# Altium PCB Cortes.PcbDoc (part 3 of 4)
Units mil, origin at the board's own origin, x right, y up, seen from the top; angles counter-clockwise.
Board outline 3686.1 x 4034 mil, 6 copper layers (Top Layer, GND, SL1, SL2, PWR, Bottom Layer), stack 33.672 mil thick; 267 components, 325 nets, 1122 pads, 1062 vias.
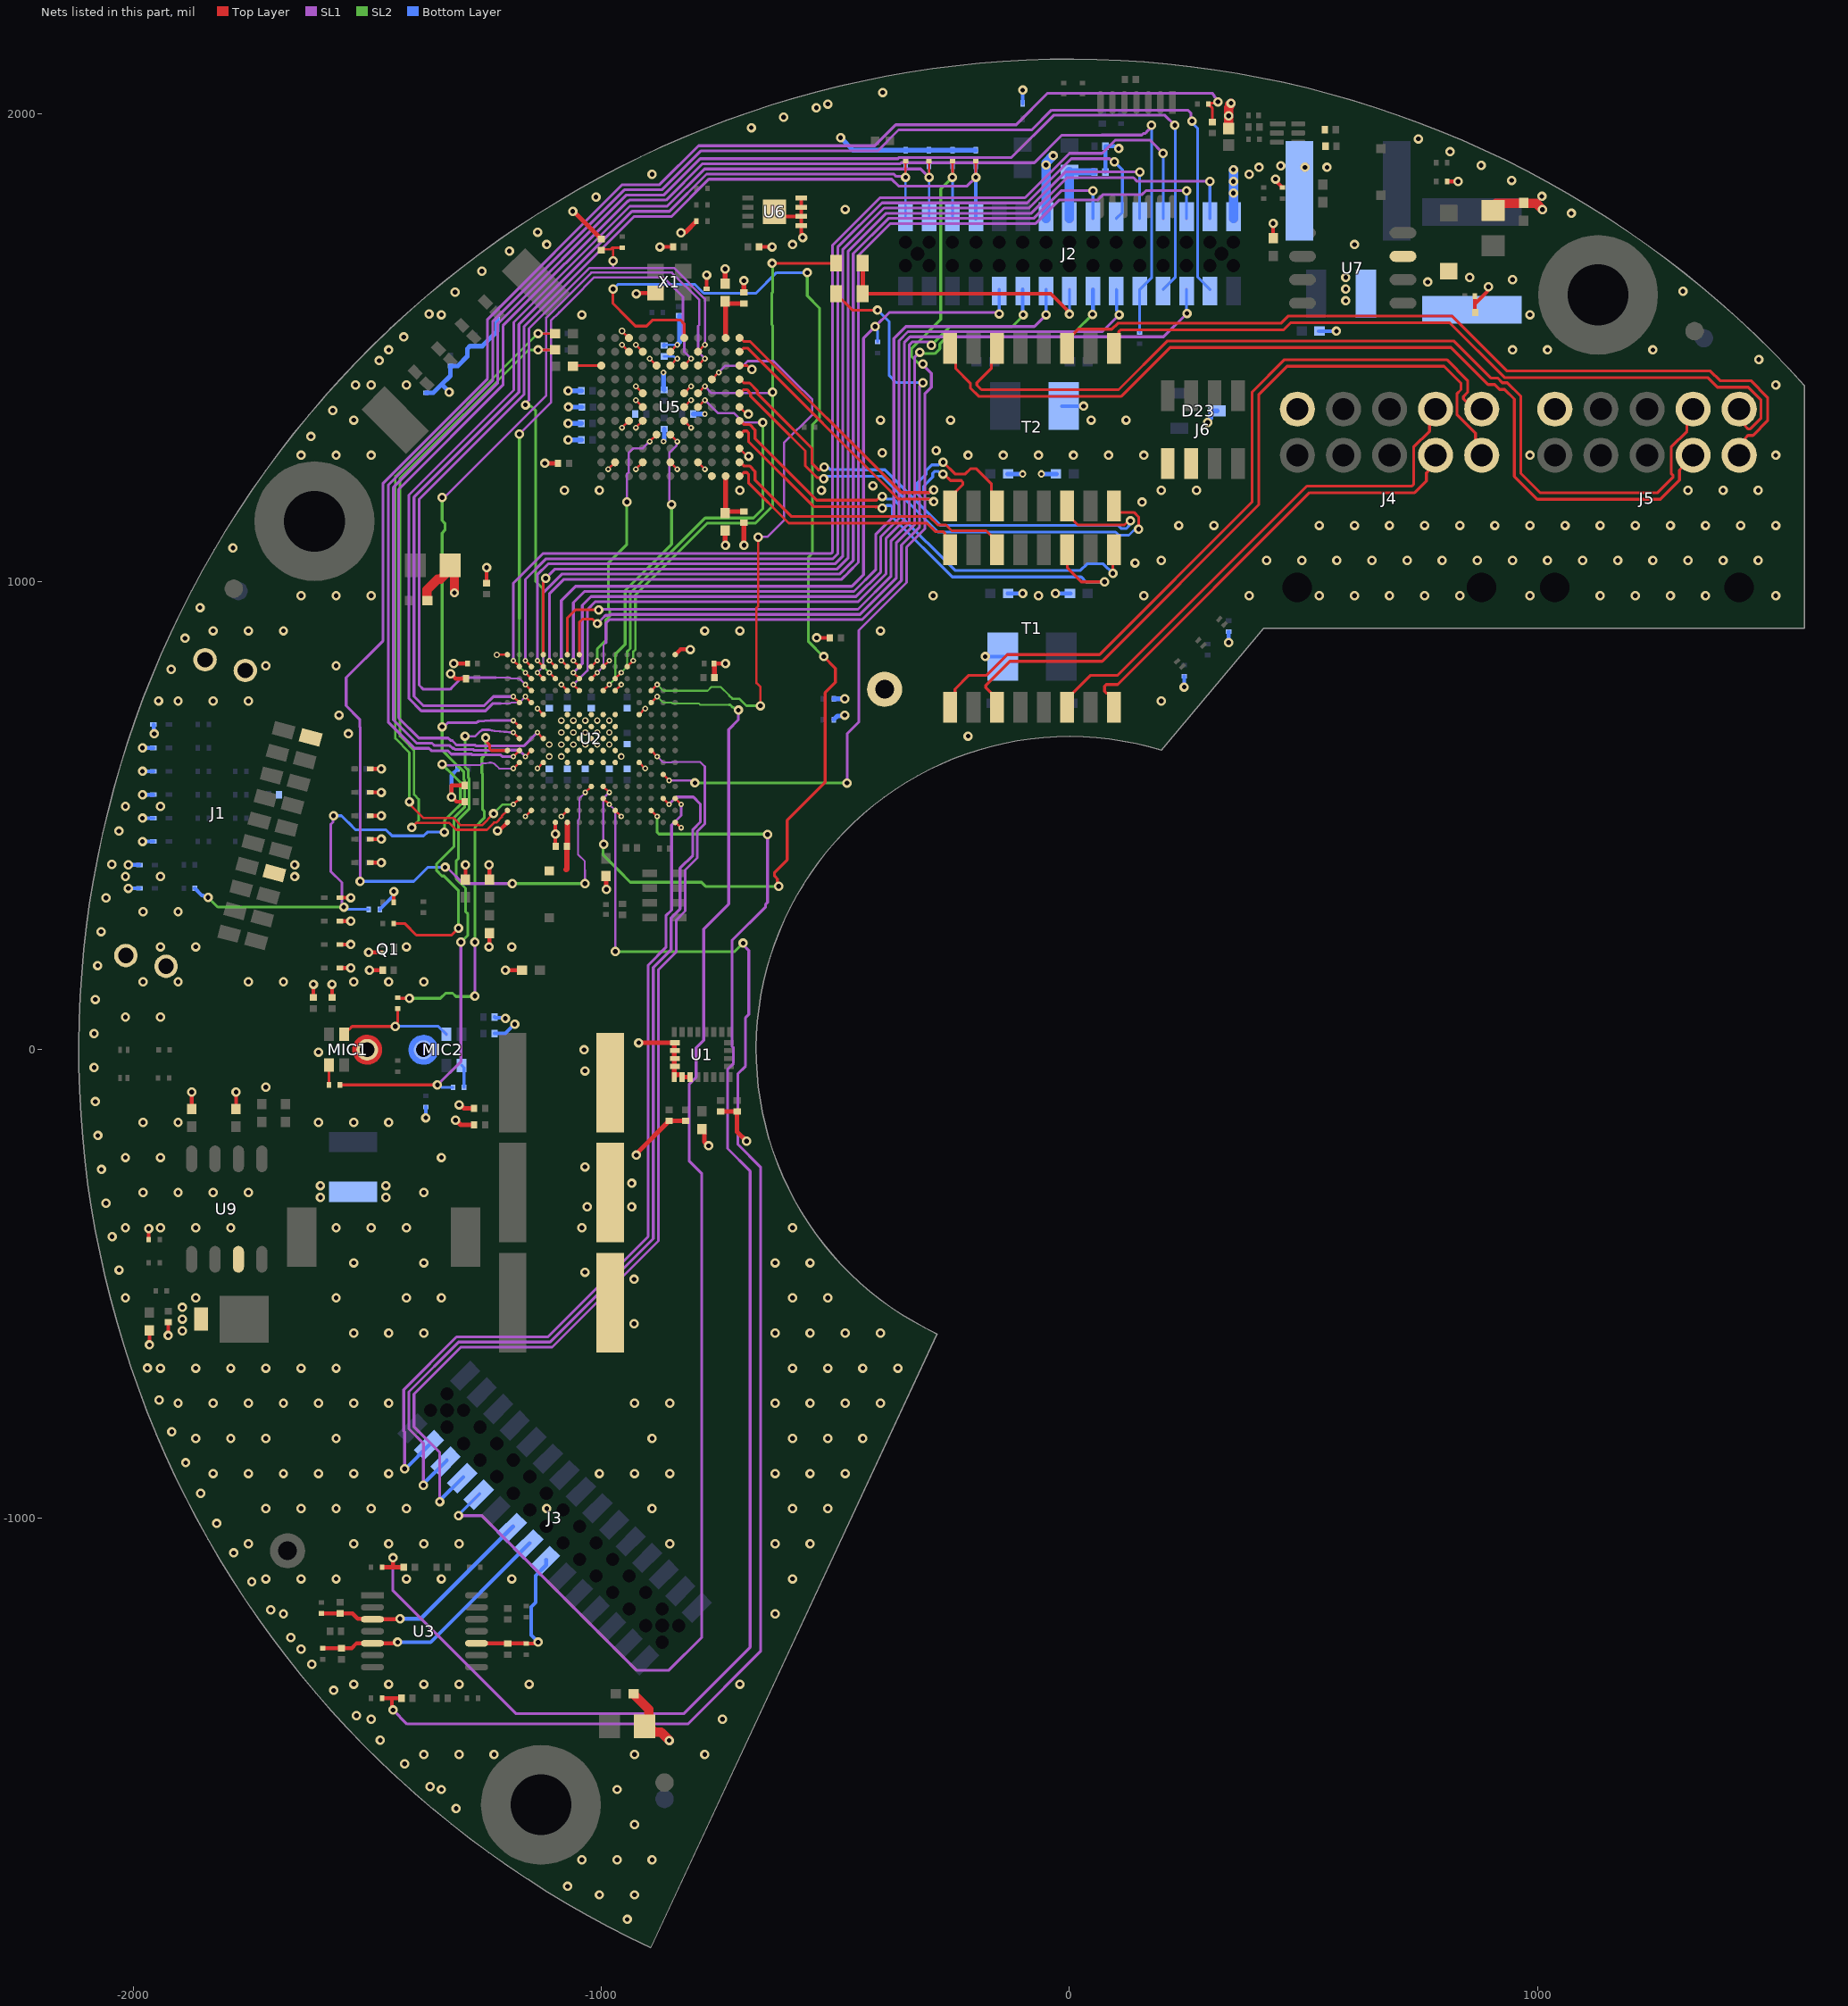
[diagram p7: the nets of this part, all layers, seen from the top]

## Via types
v1: diameter 20, hole 10, Top Layer to Bottom Layer, 497 vias
v2: diameter 20, hole 10, Top Layer to Bottom Layer, tented both sides, 332 vias
v3: diameter 12, hole 6, Top Layer to Bottom Layer, 205 vias
v4: diameter 14, hole 8, Top Layer to Bottom Layer, 21 vias
v5: diameter 16, hole 8, Top Layer to Bottom Layer, 6 vias
v6: diameter 12, hole 6, Top Layer to Bottom Layer, tented both sides, 1 vias

## Nets (pads, with @x,y where several pads share a name; then routed paths per layer and width w, separated by ;. In a path a pad name is that pad's centre, name@x,y a point inside that pad or via, vN(x,y) a via of type N, cw(c..) or ccw(c..) an arc to the next point about the centre after c; other vN are vias at no path point) (continued)
ECAT_PDI_MOSI: U2.J4 U5.L5 | length 2661.2
  Top Layer w5: U2.J4@-995.83,562.58 v3(-983.03,549.79)
  Top Layer w6: v1(-975,1625) -975,1593.99 -944,1562.99 ; -944,1563.44 -944,1562.99 ; U5.L5@-822.93,1520.67 -822.93,1550.58 -831.35,1559 -889.99,1559 -902.99,1546 -927.01,1546 -944,1562.99 ; v1(-621.25,349.25) -623.93,351.93 -623.93,365.18 -630,371.25 -630,378.89 -603,405.89 -603,490.33 -522,571.33 -522,763 -500,785 -500,815 v1(-525,840)
  SL1 w5: v1(-995,438.97) -996.03,440 -996.03,536.79 v3(-983.03,549.79)
  SL2 w6: v1(-995,438.97) -996.03,437.94 -996.03,416.03 -963.45,383.45 -938,358 -785.89,358 -777.15,349.25 v1(-621.25,349.25) ; v1(-560,1660) -560,1610.56 -534,1584.56 -534,1350.44 -549,1335.44 -549,1060.44 -558,1051.44 -558,872.54 -525.46,840 v1(-525,840)
  Bottom Layer w6: v1(-975,1625) -974.49,1625 -964.49,1635 -800,1635 -781,1616 -669.56,1616 -625.56,1660 v1(-560,1660)
ECAT_PDI_SOF: U2.N12 U5.H3 | length 1246.4
  Top Layer w5: U2.N12@-893.46,767.31 v3(-880.67,780.1) ; U5.H3@-763.88,1432.09 v3(-749.11,1446.85) ; v1(-665,1095) -665,947.37 -668.5,943.87 -668.5,783.5 -660,775 v1(-660,735)
  SL1 w5: v3(-749.11,1446.85) -734.61,1461.35 -697.12,1461.35 -687.36,1471.11 -631.97,1471.11 -625,1464.14 -587.93,1427.07 -549.5,1388.64 -549.5,1357.15 -610,1296.65 -610,1130.86 -645,1095.86 -664.14,1095.86 v1(-665,1095)
  SL2 w4: v3(-880.67,780.1) -867.58,767.01 -772.99,767.01 -765,775 -745,775 -727.13,757.13
  SL2 w5: -727.13,757.13 -720,750 -705,750 -690,735 v1(-660,735)
ECAT_PLLVCCIO: C33.1 FB1.2 U5.K6 | length 114.1
  Top Layer w5: U5.K6@-852.46,1491.15 v3(-837.7,1505.91)
  Bottom Layer w5: C33.1@-865.69,1504.69 -864.47,1505.91 v3(-837.7,1505.91)
  Bottom Layer w10: C33.1@-865.89,1504.89 C33.1@-865.69,1504.69 ; v3(-837.7,1505.91) -837.7,1506.99 -832.93,1511.76 FB1.2@-832.93,1568.43
ECAT_PROM_INIT: U2.C13 U5.J5 | length 1300.7
  Top Layer w5: v3(-1162.17,805.69) U2.C13@-1149.37,792.9 ; U5.J5@-822.93,1461.62 v3(-808.17,1476.38)
  SL1 w5: v1(-1175.13,1315.13) -1107.5,1382.75 -1107.5,1557.5 -1090,1575 -1060,1605 -1015,1650 -867.43,1650 -825.67,1608.24 -825.67,1605 -825.67,1514.92 -822.67,1511.92 -822.67,1490.88 v3(-808.17,1476.38)
  SL2 w4: -1175.13,920.85 -1175.13,818.65 v3(-1162.17,805.69)
  SL2 w6: -1175.13,920.85 v1(-1175.13,1315.13)
ECAT_R0_N: T1.8 U5.A1 | length 546.6
  Top Layer w6.1: U5.A1@-704.82,1225.4 -703.51,1225.4 -695.8,1233.11 -689.13,1233.11 -685.56,1229.54 -685.56,1210.93 -599.63,1125 -304.58,1125 -286.64,1107.06 -269.79,1107.06 -266.21,1103.49 -266.21,1079.13 T1.8@-255,1067.91
ECAT_R0_P: T1.6 U5.B1 | length 648.7
  Top Layer w6.1: U5.B1@-704.82,1254.93 -703.51,1254.93 -695.8,1247.21 -683.29,1247.21 -671.46,1235.38 -671.46,1216.77 -593.79,1139.1 -298.74,1139.1 -280.8,1121.16 -263.95,1121.16 -251.62,1108.84 -178.01,1108.84 -155,1085.83 T1.6@-155,1067.91
ECAT_R1_N: T2.8 U5.G1 | length 1106.7
  Top Layer w6.1: U5.G1@-704.82,1402.56 -703.51,1402.56 -695.8,1410.28 -689.13,1410.28 -681.07,1402.22 -681.07,1396.13 -625,1340.06 -564.35,1279.41 -564.35,1247.16 -539.6,1222.41 -527.72,1222.41 v1(-525.06,1219.75) ; T2.8@95,1162.09 95,1159.96 106.91,1148.05 137.48,1148.05 148.05,1137.48 148.05,1112.69 v1(147.68,1112.32)
  Bottom Layer w6.1: v1(-525.06,1219.75) -521.49,1219.75 -516.04,1225.2 -463.49,1225.2 -463.24,1224.95 -399.95,1224.95 -280.9,1105.9 98.45,1105.9 105.07,1099.28 126.93,1099.28 137.31,1109.66 145.02,1109.66 v1(147.68,1112.32)
ECAT_R1_P: T2.6 U5.H1 | length 1171.7
  Top Layer w6.1: U5.H1@-704.82,1432.09 -703.51,1432.09 -695.8,1424.38 -683.29,1424.38 -666.97,1408.06 -666.97,1401.97 -625,1360 -550.25,1285.25 -550.25,1253 -536.05,1238.8 -533.69,1238.8 -527.76,1244.72 v1(-524,1244.72) ; T2.6@-5,1162.09 -5,1144.17 18.01,1121.16 117.4,1121.16 126.24,1130 v1(130,1130)
  Bottom Layer w6.1: v1(-524,1244.72) -523.28,1244 -515.24,1244 -510.54,1239.3 -457.65,1239.3 -457.4,1239.05 -394.11,1239.05 -275.06,1120 104.29,1120 110.91,1113.38 121.09,1113.38 127.34,1119.63 127.34,1127.34 v1(130,1130)
ECAT_REG_OUT0: C27.2 C28.2 U5.A2 | length 116.3
  Top Layer w10: C27.2@-735.69,1145.59 -734.35,1146.93 U5.A2@-734.35,1225.4 ; C27.2@-731.59,1149.69 C28.2@-695.69,1149.69
ECAT_REG_OUT1: C29.1 C30.1 U5.L2 | length 114.1
  Top Layer w10: C30.1@-735.69,1600.16 -734.35,1598.82 -734.35,1594.26 U5.L2@-734.35,1520.67 ; C30.1@-729.78,1594.26 C29.1@-695.69,1594.26
ECAT_RESET: C31.1 R46.1 U2.E13 U5.K4 | length 1449.3
  Top Layer w5: v3(-1110.98,805.69) U2.E13@-1098.19,792.9 ; C31.1@-1000,1708.19 -998.19,1710 -980,1710 -976.81,1713.19 ; v1(-975,1685) -975,1711.38 -976.81,1713.19 ; R46.1@-955,1713.19 -976.81,1713.19 ; U5.K4@-793.41,1491.15 v3(-778.64,1505.91)
  SL1 w5: v1@-1162,1380.47 -1154.5,1387.97 -1154.5,1540.65 -1025.15,1670 -975,1670 ; v1(-975,1685) -975,1670 ; v3(-778.64,1505.91) -778.64,1603.64 -845,1670 -975,1670
  SL2 w4: -1125,850 -1125,837.39 -1124.07,836.46 -1124.07,818.78 v3(-1110.98,805.69)
  SL2 w6: v1@-1160,1379.54 v1(-1162,1377.54) -1159.32,1374.87 -1149.87,1374.87 -1140,1365 -1140,1000 -1125,985 -1125,850
ECAT_RESET_OUT: R29.1 U2.B9 U5.J4 | length 2341.3
  Top Layer w5: v3(-1187.76,703.33) U2.B9@-1174.96,690.54 ; U5.J4@-793.41,1461.62 v3(-778.64,1476.38)
  Top Layer w6: R29.1@-1443.19,270 -1420,270 -1395,245 -1320,245 v1(-1305,260)
  SL1 w5: v1@-1337.63,1182.37 -1333.57,1182.37 -1331.07,1184.87 -1330.13,1184.87 -1154.96,1360.04 -1154.75,1360.04 -1117.5,1397.3 -1117.5,1563.51 -1021.01,1660 -849.14,1660 -790.67,1601.53 -790.67,1548.66 -793.14,1546.19 -793.14,1490.88 v3(-778.64,1476.38)
  SL1 w6: v1(-1340,690) -1336.21,690 -1327.21,699 -1315.71,699 -1266.31,699 -1264.81,700.5 -1263.2,700.5 -1261.7,702 -1236.67,703.33 v3(-1187.76,703.33)
  SL2 w6: v1(-1340,1180) -1340,1130.78 -1334,1124.78 -1334,1109.87 -1340,1103.87 v1(-1340,690) -1340,640 -1315.71,615.71 -1293.5,593.5 -1293.5,576.93 -1291.5,574.93 -1291.5,519.18 -1314.5,496.18 -1314.5,434.66 -1351.71,397.46 -1351.71,382.54 -1340.39,371.22 -1336.22,371.22 -1305,340 v1(-1305,260)
ECAT_SYNC_OUT0: U2.H14 U5.D7 | length 567.7
  Top Layer w5: U2.H14@-1021.42,818.49 v3(-1008.62,831.28) ; v3(-896.75,1299.22) U5.D7@-881.99,1313.98
  SL1 w5: v1(-945.41,1170.19) -945.41,1230.05 -941.31,1234.16 -941.31,1275.17 -932.29,1284.19 -931.63,1284.19 -931.1,1284.72 -911.25,1284.72 v3(-896.75,1299.22)
  SL2 w6: v3(-1008.62,831.28) -1008.62,856.38 -990,875 -990,918.54 -982,926.54 -982,941.46 -985,944.46 -985,1040 -945.59,1079.41 -945.59,1145 v1@-945.59,1170.01
  SL2 w8: v1@-945.59,1170.01 v1(-945.41,1170.19)
ECAT_SYNC_OUT1: U2.J12 U5.D6 | length 621.9
  Top Layer w5: U2.J12@-995.83,767.31 v3(-983.03,780.1) ; U5.D6@-852.46,1313.98 v3(-837.7,1299.22)
  SL1 w4: v3@-839.39,1297.52 v3(-837.7,1299.22)
  SL1 w5: v1(-850,1165) -850,1169.06 -854.33,1173.39 -854.33,1275.59 -839.39,1290.53 v3@-839.39,1297.52
  SL2 w4: v3(-983.03,780.1) -970,793.13 -970,845
  SL2 w6: -970,845 -949,866 -949,920.85 -949,981 -850,1080 -850,1145 v1(-850,1165)
ECAT_T0_N: T1.3 U5.D1 | length 1074.6
  Top Layer w6.1: U5.D1@-704.82,1313.98 -703.51,1313.98 -695.8,1321.69 -689.13,1321.69 -685.56,1318.12 -685.56,1299.51 -546.05,1160 -415,1160 -414.81,1159.81 -402.66,1159.81 v1(-400,1157.15) ; T1.3@-5,1067.91 -4.46,1067.38 -4.46,1029.46 25.37,999.63 v1(75,999.63)
  Bottom Layer w6.1: v1(-400,1157.15) -396.24,1157.15 -390.79,1162.6 -381.95,1162.6 -378.38,1159.03 -378.38,1138.06 -250.32,1010 25,1010 35.37,999.63 v1(75,999.63)
ECAT_T0_P: T1.1 U5.E1 | length 1025.1
  Top Layer w6.1: U5.E1@-704.82,1343.51 -703.51,1343.51 -695.8,1335.79 -683.29,1335.79 -671.46,1323.96 -671.46,1305.35 -540.21,1174.1 -411.81,1174.1 -403.76,1182.15 v1(-400,1182.15) ; v1(92.68,1017.68) 92.68,1065.59 T1.1@95,1067.91
  Bottom Layer w6.1: v1(-400,1182.15) -396.24,1182.15 -390.79,1176.7 -376.11,1176.7 -364.28,1164.87 -364.28,1143.9 -244.48,1024.1 23.57,1024.1 37.52,1038.05 72.31,1038.05 v1(92.68,1017.68)
ECAT_T1_N: T2.3 U5.K1 | length 881
  Top Layer w6.1: U5.K1@-704.82,1491.15 -703.51,1491.15 -695.8,1498.86 -687.65,1498.86 -365.13,1176.34 -299.21,1176.34 -293.76,1170.89 v1(-290,1170.89) ; v1(-270,1255) -269.79,1255 -244.79,1230 -222.7,1230 -211.65,1241.05 -198.35,1241.05 -166.91,1209.61 -166.91,1174 T2.3@-155,1162.09
  Bottom Layer w6.1: v1(-290,1170.89) -293.76,1170.89 -299.21,1176.34 -313.89,1176.34 -325.72,1188.17 -325.72,1210.03 -306.34,1229.42 -306.34,1237.15 -294.03,1249.46 -279.3,1249.46 -273.76,1255 v1(-270,1255)
ECAT_T1_P: T2.1 U5.L1 | length 761.8
  Top Layer w6.1: U5.L1@-704.82,1520.67 -703.51,1520.67 -695.8,1512.96 -681.81,1512.96 -359.29,1190.44 -299.21,1190.44 -293.76,1195.89 v1(-290,1195.89) ; v1(-270.14,1229.82) -267.78,1229.82 -253.86,1215.9 -231.3,1215.9 -227.73,1212.33 -227.73,1207.27 -255,1180 T2.1@-255,1162.09
  Bottom Layer w6.1: v1(-290,1195.89) -293.76,1195.89 -299.21,1190.44 -308.05,1190.44 -311.62,1194.01 -311.62,1204.19 -292.24,1223.58 -292.24,1231.31 -288.19,1235.36 -279.44,1235.36 -273.9,1229.82 v1(-270.14,1229.82)
ECAT_WD_STATE: R32.2 U2.L14 U5.G4 | length 1361.4
  Top Layer w5: U2.L14@-944.65,818.49 v3(-931.85,831.28) ; U5.G4@-793.41,1402.56 v3(-778.64,1417.33)
  Top Layer w6: v1(-635,1680) R32.2@-498.54,1680
  SL1 w5: v3(-778.64,1417.33) -764.14,1402.83 -636.17,1402.83 v1(-634,1405)
  SL2 w5: v3(-931.85,831.28) -931.85,850.42 -927,855.27 -927,920.85
  SL2 w6: -927,920.85 -927,971.56 -773.56,1125 -670.46,1125 -650.46,1145 -634,1161.46 v1(-634,1405) -634,1547.44 -636,1549.44 -636,1615.9 -634.18,1617.72 -634.18,1679.18 v1(-635,1680)
ECAT_WD_TRIG: U2.K13 U5.F4 | length 902.4
  Top Layer w5: U2.K13@-970.24,792.9 v3(-957.44,805.69) ; U5.F4@-793.41,1373.04 v3(-778.64,1387.8)
  SL1 w5: v3(-778.64,1387.8) -751.08,1360.24 -716.48,1360.24 -696.25,1340 v1(-655,1340)
  SL2 w4: v3(-957.44,805.69) -944.94,818.19 -944.94,836.46 -945,836.52 -945,850
  SL2 w6: -945,850 -938,857 -938,920.85 -938,976.12 -778.12,1136 -675.01,1136 -666.01,1145 -655,1156.01 v1(-655,1340)
ECATPHY0_R_N: J4.1 T1.9 | length 1675.8
  Top Layer w6.1: T1.9@-255,732.09 -244.67,742.42 -244.67,770.33 -215,800 -177.12,800 -133.02,844.1 64.1,844.1 390,1170 390,1404.94 459.16,1474.1 805.84,1474.1 850.3,1429.64 850.3,1404.28 841.56,1395.54 841.56,1390.49 863.47,1368.58 J4.1@880.44,1368.58
ECATPHY0_R_P: J4.6 T1.11 | length 1685.1
  Top Layer w6.1: T1.11@-155,732.09 -155,750 -178.56,773.56 -178.56,778.61 -127.18,830 69.94,830 404.1,1164.16 404.1,1399.1 465,1460 800,1460 836.2,1423.8 836.2,1410.12 827.46,1401.38 827.46,1357.28 867.29,1317.45 867.29,1283.3 J4.6@880.44,1270.16
ECATPHY0_T_N: J4.2 T1.14 | length 1127.9
  Top Layer w6.1: T1.14@-5,732.09 -5,750 45,800 102.94,800 507.04,1204.1 731.43,1204.1 735,1207.67 735,1231.4 735,1287.42 768.87,1321.29 768.87,1355.44 J4.2@782.01,1368.58
ECATPHY0_T_P: J4.7 T1.16 | length 987.7
  Top Layer w6.1: T1.16@95,732.09 95,750 83.09,761.91 78.57,761.91 75,765.48 75,776.64 78.57,780.21 103.09,780.21 512.88,1190 737.27,1190 762.45,1215.18 762.45,1232.23 782.01,1251.8 J4.7@782.01,1270.16
ECATPHY1_R_N: J5.1 T2.9 | length 1614.3
  Top Layer w6.1: T2.9@95,1497.91 105.42,1508.34 105.42,1534.28 109,1537.85 457.32,1537.85 472.52,1553.05 811.95,1553.05 929.1,1435.9 1363.12,1435.9 1383.89,1415.13 1449.72,1415.13 1476.99,1387.86 1476.99,1349.3 1454.11,1326.42 1449.06,1326.42 1443.58,1331.89 1443.58,1355.44 J5.1@1430.44,1368.58
ECATPHY1_R_P: J5.6 T2.11 | length 1762.2
  Top Layer w6.1: T2.11@-5,1497.91 -5,1515.83 18.47,1539.29 90.5,1539.29 103.16,1551.95 451.48,1551.95 466.68,1567.15 817.79,1567.15 934.94,1450 1368.96,1450 1389.73,1429.23 1455.56,1429.23 1491.09,1393.71 1491.09,1343.46 1459.95,1312.32 1449.06,1312.32 1443.58,1306.85 1443.58,1283.3 J5.6@1430.44,1270.16
ECATPHY1_T_N: J5.2 T2.14 | length 2041.1
  Top Layer w6.1: T2.14@-155,1497.91 -166.91,1486 -166.91,1455.39 -197.6,1424.7 -197.6,1419.65 -187.95,1410 105,1410 209.1,1514.1 820.84,1514.1 899.94,1435 914.3,1435 924.5,1424.8 935.14,1424.8 964.1,1395.84 964.1,1230.84 1004.94,1190 1256.43,1190 1288.88,1222.46 1288.88,1227.51 1285,1231.4 1285,1287.42 1318.87,1321.29 1318.87,1355.44 J5.2@1332.01,1368.58
ECATPHY1_T_P: J5.7 T2.16 | length 1980.6
  Top Layer w6.1: T2.16@-255,1497.91 -243.09,1486 -243.09,1455.39 -211.7,1424 -211.7,1413.81 -193.79,1395.9 110.84,1395.9 214.94,1500 815,1500 894.1,1420.9 908.46,1420.9 918.66,1410.7 929.3,1410.7 950,1390 950,1225 999.1,1175.9 1262.27,1175.9 1302.98,1216.62 1302.98,1238.4 1332.01,1267.43 J5.7@1332.01,1270.16
ENC_5V0: C59.1 FB2.2 J2.16 | length 153.2
  Bottom Layer w15: FB2.2@0,1875.54 0.54,1875 C59.1@53.19,1875
  Bottom Layer w20: J2.16@0,1775.79 FB2.2@0,1875.54
ENC_CLK: D19.K J2.24 R70.1 U2.C12 | length 2380.2
  Top Layer w5: v3(-1162.17,780.1) U2.C12@-1149.37,767.31
  Top Layer w6: v1(-200,1863.66) R70.1@-200,1898.19
  SL1 w4: -1225,795 -1194.74,795 -1192.93,793.19 -1175.26,793.19 v3(-1162.17,780.1)
  SL1 w6: -1225,795 -1298,795 -1315.71,777.29 -1323,770 -1380,770 -1389,779 -1389,1176 -1165,1400 -1165,1545 -930,1780 -850,1780 -770.46,1859.54 -379.54,1859.54 -365,1845 -218.66,1845 v1(-200,1863.66)
  Bottom Layer w8: J2.24@-200,1775.79 v1(-200,1863.66) D19.K@-200,1888.46
ENC_CS: D20.K J2.26 R69.1 U2.P5 | length 1976.7
  Top Layer w5: U2.P5@-867.87,588.17 v3(-855.08,575.38)
  Top Layer w6: v1(-250,1863.66) R69.1@-250,1898.19
  SL1 w5: v3(-855.08,575.38) -802.93,575.38 -800,572.45 v1(-800,570.17)
  SL1 w6: v1(-475,570) -475,675 -450,700 -450,896.11 -348,998.11 -348,1073.66 -309,1112.66 -309,1401 -295,1415 -295,1445 -313,1463 v1(-313,1465)
  SL2 w6: v1(-800,570.17) -475.17,570.17 v1(-475,570) ; v1(-313,1465) -314.44,1466.43 -322.92,1466.43 -338,1481.51 -338,1497.46 -327.46,1508 -327,1508 -275,1560 -275,1838.66 v1(-250,1863.66)
  Bottom Layer w6: J2.26@-250,1775.79 v1(-250,1863.66) D20.K@-250,1888.46
ENC_MISO: D21.K J2.28 R68.1 U2.C11 | length 2364.3
  Top Layer w5: v3(-1162.17,754.51) U2.C11@-1149.37,741.72 ; v1(-300,1863.66) R68.1@-300,1898.19
  SL1 w4: -1215,740 -1194.35,740 -1192.93,741.42 -1175.26,741.42 v3(-1162.17,754.51)
  SL1 w6: -1215,740 -1231.57,740 -1247.57,724 -1384.56,724 -1411,750.44 -1411,1185.11 -1187,1409.11 -1187,1554.11 -939.11,1802 -859.11,1802 -779.58,1881.54 -356.9,1881.54 -356.77,1881.66 -318,1881.66 v1(-300,1863.66)
  Bottom Layer w5: J2.28@-300,1775.79 v1(-300,1863.66) D21.K@-300,1888.46
ENC_MOSI: D22.K J2.30 R67.1 U2.B11 | length 2243.1
  Top Layer w5: v3(-1187.76,754.51) U2.B11@-1174.96,741.72 ; v1(-350,1863.66) R67.1@-350,1898.19
  SL1 w5: v1@-352.85,1863.66 v1(-350,1863.66)
  SL1 w6: v3(-1187.76,754.51) -1230.49,754.51 -1250,735 -1380,735 -1400,755 -1400,1180.56 -1176,1404.56 -1176,1549.56 -934.56,1791 -854.56,1791 -775.02,1870.54 -374.98,1870.54 -370,1865.56 -354.75,1865.56 v1@-352.85,1863.66
  Bottom Layer w5: J2.30@-350,1775.79 v1(-350,1863.66) D22.K@-350,1888.46
ENC_THERM_ADC: C17.1 R38.2 U2.H4 | length 3903.6
  Top Layer w5: v3(-1034.21,549.79) U2.H4@-1021.42,562.58
  Top Layer w6: R38.2@296.81,2020 296.81,2019.02 298.73,2017.09 299.72,2017.09 305,2011.81 C17.1@305,1981.81 ; R38.2@299.72,2020 302.04,2022.32 314.6,2022.32 v1(317.28,2025)
  SL1 w4: -1035,383.45 -1035,402.49 -1050,417.49 -1050,490.73 -1046.71,494.02 -1046.71,537.29 v3(-1034.21,549.79)
  SL1 w5: v1(-1035,355) -1035,383.45
  SL1 w6: v1(-1515,360) -1515,689.44 -1516,690.44 -1516,706 -1545,735 -1545,795 -1466,874 -1466,1210.67 -1243,1433.67 -1243,1560.34 -955.34,1848 -875.34,1848 -792.34,1931 -416,1931 -371,1976 -114,1976 -46.59,2043.41 304.58,2043.41 308.82,2039.16 308.82,2037.25 317.28,2028.79 v1(317.28,2025) ; v1@-1330,390 -1295,355 v1(-1190,355)
  SL2 w6: v1(-1333.71,390) v1@-1330,390 ; v1(-1190,355) v1(-1035,355)
  Bottom Layer w6: v1(-1515,360) -1400.46,360 -1370.46,390 v1(-1333.71,390)
FB_STO1: J2.17 U2.G14 | length 1727.3
  Top Layer w5: v3(-1059.8,831.28) U2.G14@-1047.01,818.49
  SL1 w6: v3(-1059.8,831.28) -1059.8,955.2 -1035.92,979.08 -460.37,979.08 -414,1025.44 -414,1101 -375,1140 -375,1519.56 -349.56,1545 -75,1545 v1(-50,1570)
  Bottom Layer w6: v1(-50,1570) J2.17@-50,1624.21
FB_STO2: J2.19 U2.F15 | length 1650.8
  Top Layer w6: U2.F15@-1072.6,844.08 -1072.6,922.4 -1055,940 -1006,940 v1(-1005.58,939.58)
  SL1 w6: v1(-1005.58,939.58) -1004.16,941 -451.77,941 -381,1011.77 -381,1087.33 -342,1126.33 -342,1505.89 -335.89,1512 -298.51,1512 -295,1508.49 v1(-295,1505)
  SL2 w6: v1(-295,1505) -255,1545 -122,1545 -99,1568 v1(-99,1570)
  Bottom Layer w8: J2.19@-100,1624.21 -100,1571 v1(-99,1570)
FSOE_STO1: J2.13 U2.G15 | length 1760.8
  Top Layer w6: U2.G15@-1047.01,844.08 -1047.01,912.99 -1040,920 -1019.01,920 -1009.5,910.49 v1(-1008.5,910.49)
  SL1 w6: v1(-1008.5,910.49) -998.14,920.85 -990.87,928.12 -986.91,928.12 -986.54,928.5 -980.04,928.5 -978.54,930 -447.22,930 -370,1007.22 -370,1082.77 -331,1121.77 -331,1479 v1(-320,1490)
  SL2 w6: v1(-320,1490) -316.21,1490 -313.53,1487.32 -302.78,1487.32 -302.46,1487 -287.54,1487 -277,1497.54 -277,1507.44 -250.44,1534 12,1534 v1(49,1571)
  Bottom Layer w8: v1(49,1571) 50,1572 J2.13@50,1624.21
FSOE_STO2: J2.15 R32.1 R34.1 | length 579.5
  Top Layer w8: R34.1@-441.46,1615 -39.91,1615 -5.72,1580.8 -5.72,1580.37 0,1574.65 v1(0,1571.4)
  Top Layer w10: R34.1@-441.46,1615 R32.1@-441.46,1680
  Bottom Layer w6: v1(0,1571.4) J2.15@0,1624.21
FSOE_STO2_CTRLR: R34.2 U2.H13 | length 1573.4
  Top Layer w5: U2.H13@-1021.42,792.9 v3(-1008.62,805.69)
  Top Layer w6: R34.2@-498.54,1615 -463.54,1580 v1(-410,1580)
  SL1 w4: v3(-1008.62,805.69) -995.53,818.78 -995.53,864.47 -990,870
  SL1 w6: -990,870 -990,911.6 -982.6,919 -727.13,919 -442.66,919 -359,1002.66 -359,1078.22 -320,1117.22 -320,1418 v1(-313,1425)
  Bottom Layer w6: v1(-410,1580) -385,1555 -385,1440 -370,1425 v1(-313,1425)
GD_FAULT_L: J2.21 R65.1 U2.F14 | length 1717.5
  Top Layer w5: v3(-1085.39,831.28) U2.F14@-1072.6,818.49
  SL1 w6: v3(-1085.39,831.28) -1085.39,959.61 -1054.92,990.08 -464.92,990.08 -440,1015 -440,1520 v1(-415,1545) -385,1575 -160.51,1575 -160.19,1574.68 -152.68,1574.68 v1(-150,1572)
  Bottom Layer w6: v1@-415,1541.21 -410,1536.21 R65.1@-410,1511.81 ; v1(-150,1572) J2.21@-150,1624.21
GD_PWM_EN: J2.11 U2.G13 | length 1896.7
  Top Layer w5: v3(-1059.8,805.69) U2.G13@-1047.01,792.9
  SL1 w6: v3(-1059.8,805.69) -1040.51,824.99 -1040.51,920.85 -1040.51,949.49 -1021.92,968.08 -455.81,968.08 -403,1020.89 -403,1096.44 -364,1135.44 -364,1515 -345,1534 70,1534 v1(106,1570)
  Bottom Layer w6: J2.11@100,1624.21 100.62,1623.59 100.62,1579.17 106,1573.79 v1(106,1570)